# Altium PCB LimeSDR-X3_1v2.PcbDoc (part 4 of 25) (continued)
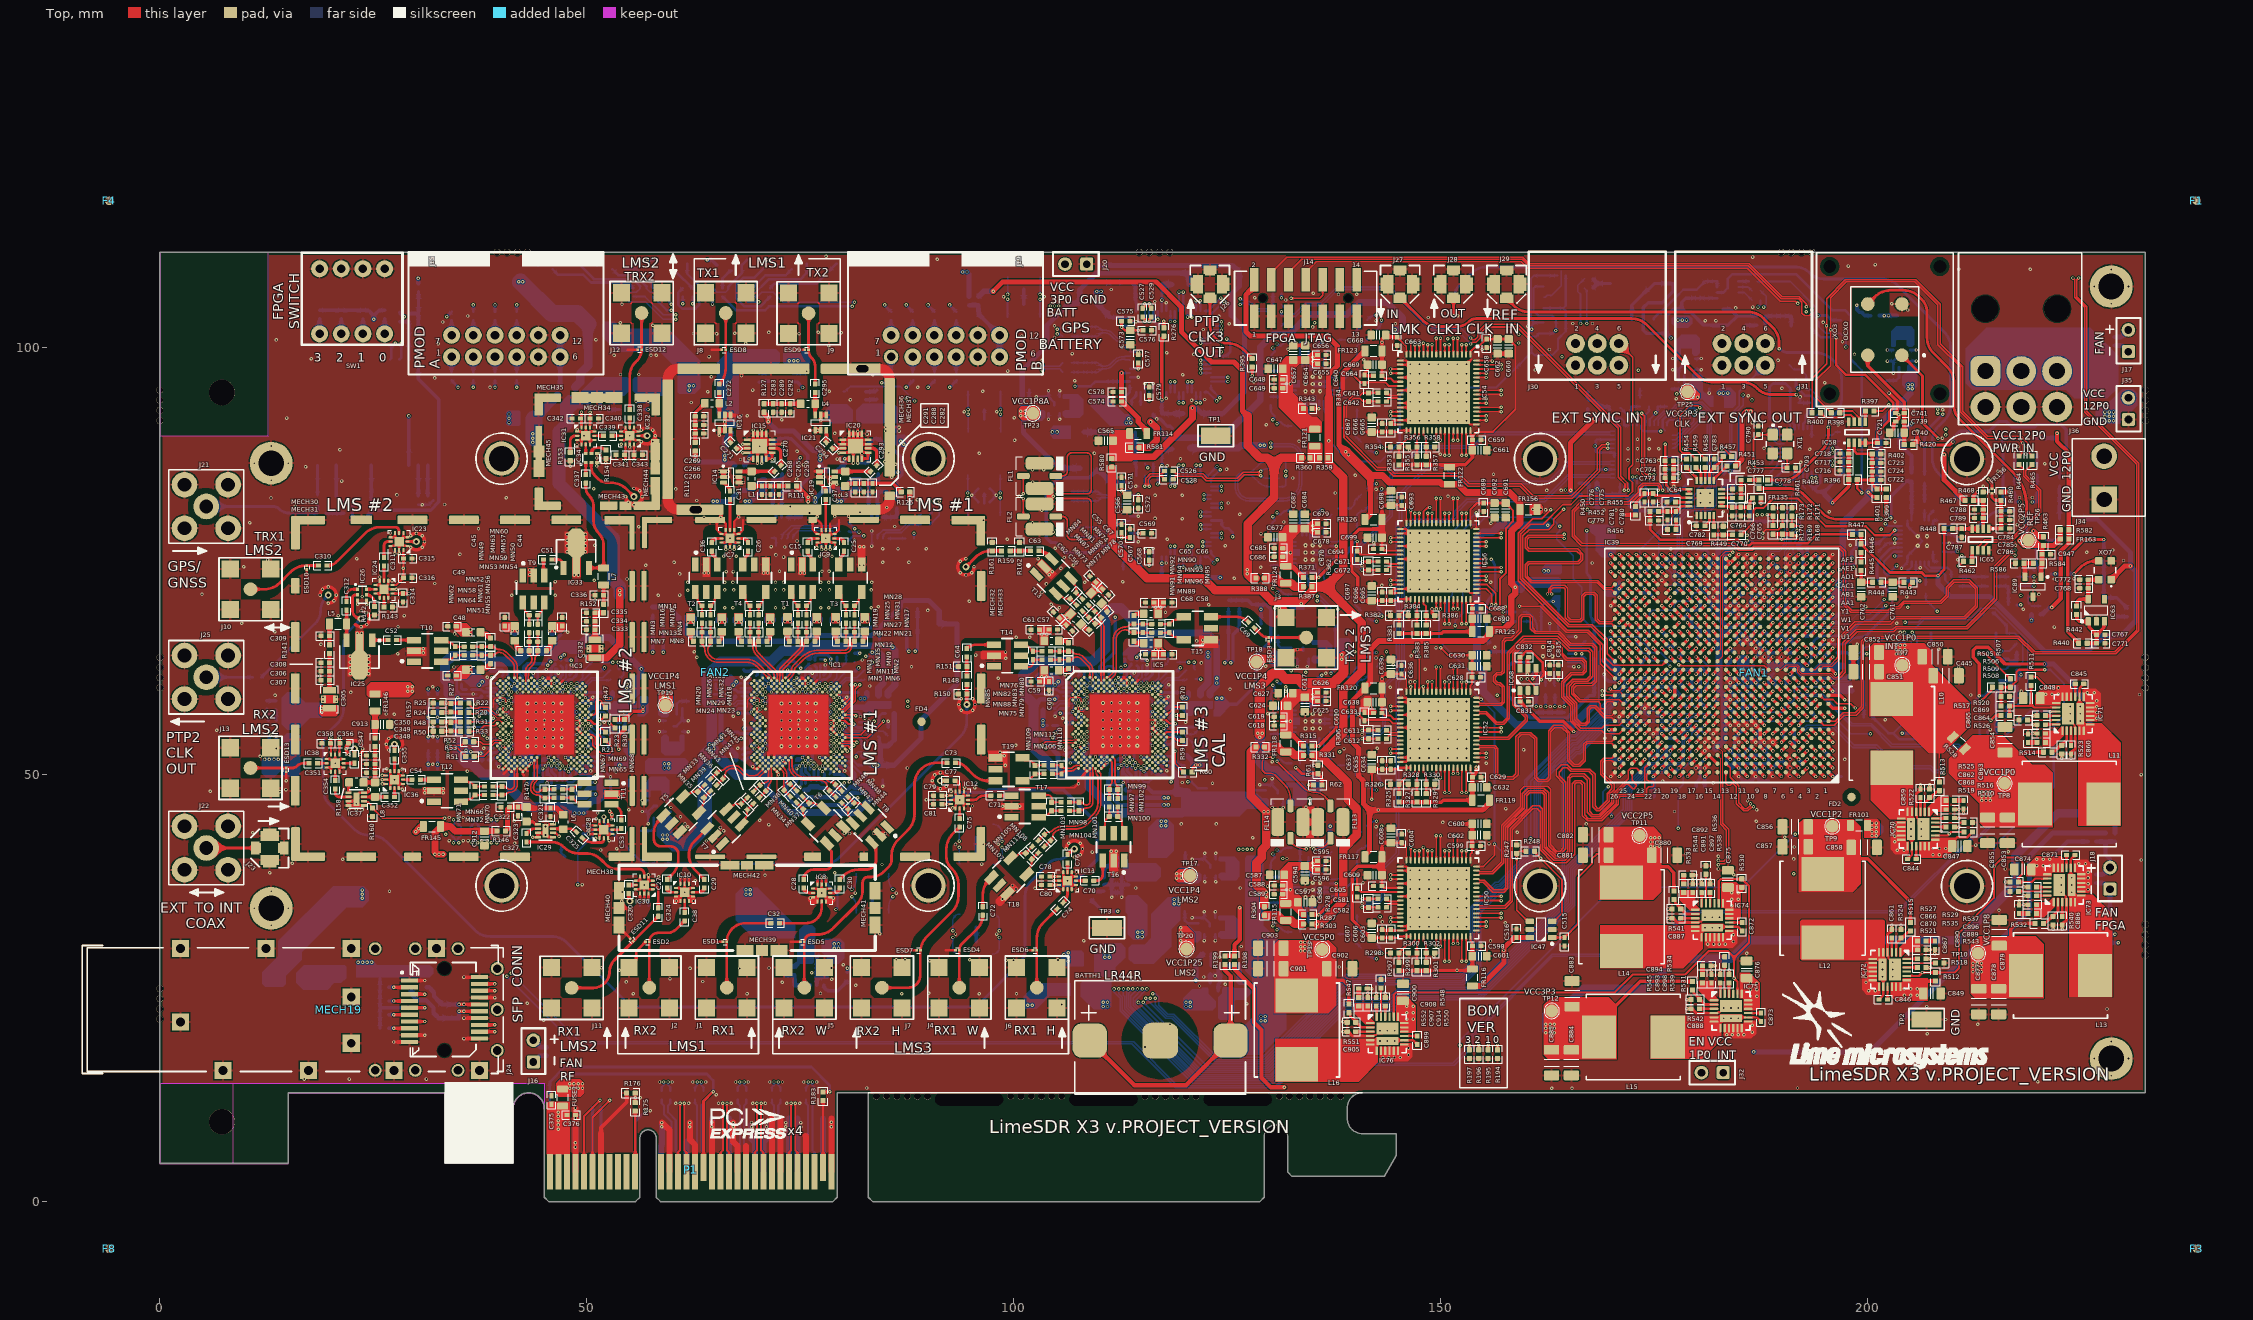
[diagram p0: Top view]
## Footprints (in the part's own frame and the unit in brackets; to place one, negate y for a bottom-side part, rotate by r counter-clockwise, add the part's x,y. Pads: shape width x height; smd on the part's side, far side on the other; paste and mask are expansions set on the pad) (continued)
  Top pour cut-out: -7.5,-6.45 -7.5,-7.55 -7.921,-7.466 -8.278,-7.228 -8.516,-6.871 -8.6,-6.45 -8.6,-6.45
  Top pour cut-out: -7.5,-6.45 -7.5,-5.35 -7.079,-5.434 -6.722,-5.672 -6.484,-6.029 -6.4,-6.45 -6.4,-6.45
  Top pour cut-out: -7.5,6.45 -6.4,6.45 -6.484,6.029 -6.722,5.672 -7.079,5.434 -7.5,5.35 -7.5,5.35
  Top pour cut-out: -7.5,6.45 -8.6,6.45 -8.516,6.871 -8.278,7.228 -7.921,7.466 -7.5,7.55 -7.5,7.55
  Top pour cut-out: -7.5,6.45 -7.5,5.35 -7.921,5.434 -8.278,5.672 -8.516,6.029 -8.6,6.45 -8.6,6.45
  Top pour cut-out: -7.5,6.45 -7.5,7.55 -7.079,7.466 -6.722,7.228 -6.484,6.871 -6.4,6.45 -6.4,6.45
  Top pour cut-out: 7.4,6.45 8.5,6.45 8.416,6.029 8.178,5.672 7.821,5.434 7.4,5.35 7.4,5.35
  Top pour cut-out: 7.4,6.45 6.3,6.45 6.384,6.871 6.622,7.228 6.979,7.466 7.4,7.55 7.4,7.55
  Top pour cut-out: 7.4,6.45 7.4,5.35 6.979,5.434 6.622,5.672 6.384,6.029 6.3,6.45 6.3,6.45
  Top pour cut-out: 7.4,6.45 7.4,7.55 7.821,7.466 8.178,7.228 8.416,6.871 8.5,6.45 8.5,6.45
  Top pour cut-out: 4.9,-0.5 4.9,3.9 -4.9,3.9 -4.9,-3.9 1.525,-3.9 1.525,-0.5
  silkscreen extent -9,-8 9,8, body extent -8.05,-7.01 7.95,6.99, height 10
AP7361 [mm] "Low noise LDO"
  rect 0.7x0.3 smd mask+0.05: 1(-1.375,0.975) 2(-1.375,0.325) 3(-1.375,-0.325) 4(-1.375,-0.975) 5(1.375,-0.975) 6(1.375,-0.325) 7(1.375,0.325) 8(1.375,0.975)
  rect 1.6x2.35 smd mask+0.05: 9(0,0)
  silkscreen extent -2.34,-1.7 2,1.7, body extent -1.52,-1.5 1.5,1.5, height 0.8
ATECC508A_UDFN8 [mm]
  rect 0.8x0.3 smd mask+0.05: 1(-1.5,0.75) 2(-1.5,0.25) 3(-1.5,-0.25) 4(-1.5,-0.75) 5(1.5,-0.75) 6(1.5,-0.25) 7(1.5,0.25) 8(1.5,0.75)
  rect 1.4x1.6 smd mask+0.05: PAD(0,0)
  silkscreen extent -1.64,-1.1 1.2,1.24, body extent -1.5,-1 1.5,1, height 0.53
BHR-06-HUA_2x3_EDGE_HEADER [mm]
  round 2.2 hole 1.1 mask+0.05: 1(-2.54,-2.54) 2(-2.54,0) 3(0,-2.54) 4(0,0) 5(2.54,-2.54) 6(2.54,0)
  silkscreen extent -8,-4.25 8,10.75, body extent -7.64,-2.87 7.64,10.68, height 8.93
BMI-S-101_RF_SHIELD_v2 [mm] "Full footprint"
  rrect20% 1x2.6 smd paste-2 mask+0.05: 0(-6.85,-5.525) 0(-6.85,5.525) 0(6.85,-5.525) 0(6.85,5.525)
  rrect20% 0.8x3.8 smd paste-2 mask+0.05: 0(-6.825,0)
  rrect20% 3.1x1 smd paste-2 mask+0.05: 0(-5.8,-6.325) 0(-5.8,6.325) 0(5.8,-6.325)
  rrect20% 3.8x1 smd paste-2 mask+0.05: 0(0,6.325)
  rrect20% 2.8x1 smd paste-2 mask+0.05: 0(5.8,6.325)
  rrect20% 1x3 smd paste-2 mask+0.05: 0(6.825,0)
  body extent -6.83,-6.35 6.83,6.35, height 2.57
CAP0201 [mm]
  rect 0.3x0.35 smd mask+0.05: 1(-0.28,0) 2(0.28,0)
  silkscreen extent -0.2,-0.33 0.2,0.32, body extent -0.3,-0.15 0.3,0.15, height 0.25
CAP0402#1 [mm] "Chip Capacitor, Body 1.0x0.5mm, 0402, IPC Medium Density"
  round 0.2 on Mech14: 0(0,0)
  rrect20% 0.6x0.5 smd: 1(-0.5,0) 2(0.5,0)
  Top pour cut-out: -0.2,0.35 0.2,0.35 0.2,-0.35 -0.2,-0.35
  silkscreen extent -1.05,-0.5 1.05,0.5, body extent -0.52,-0.27 0.53,0.28, height 0.55
CAP0402#2 [mm] "Chip Capacitor, Body 1.0x0.5mm, 0402, IPC Medium Density"
  round 0.2 on Mech15: 0(0,0)
  rrect20% 0.6x0.5 smd: 1(-0.5,0) 2(0.5,0)
  Top pour cut-out: -0.2,0.35 0.2,0.35 0.2,-0.35 -0.2,-0.35
  silkscreen extent -1.05,-0.5 1.05,0.5, body extent -0.52,-0.27 0.53,0.28, height 0.55
CAP0603#1 [mm] "Chip Capacitor, Body 1.6x0.8mm, 0603, IPC Medium Density"
  round 0.254 on Mech14: 0(0,0)
  rrect25% 0.9x1 smd: 1(-0.85,0) 2(0.85,0)
  Top pour cut-out: -0.4,0.6 0.4,0.6 0.4,-0.6 -0.4,-0.6
  silkscreen extent -0.18,-0.48 0.18,0.48, body extent -0.85,-0.45 0.85,0.45, height 0.89
CAP0603#2 [mm] "Chip Capacitor, Body 1.6x0.8mm, 0603, IPC Medium Density"
  round 0.254 on Mech15: 0(0,0)
  rrect25% 0.9x1 smd: 1(-0.85,0) 2(0.85,0)
  Top pour cut-out: -0.4,0.6 0.4,0.6 0.4,-0.6 -0.4,-0.6
  silkscreen extent -0.18,-0.48 0.18,0.48, body extent -0.85,-0.45 0.85,0.45, height 0.89
CAP0805#1 [mm] "Chip Capacitor, Body 2.0x1.2mm, 0805, IPC Medium Density"
  round 0.254 on Mech15: 0(0,0)
  rrect25% 1x1.4 smd: 1(-0.9,0) 2(0.9,0)
  Top pour cut-out: -0.4,0.8 0.4,0.8 0.4,-0.8 -0.4,-0.8
  silkscreen extent -0.15,-0.65 0.15,0.65, body extent -1.1,-0.72 1.1,0.73, height 1.34
CAP0805#2 [mm] "Chip Capacitor, Body 2.0x1.2mm, 0805, IPC Medium Density"
  round 0.254 on Mech15: 0(0,0)
  rrect25% 1x1.4 smd: 1(-1,0) 2(1,0)
  Top pour cut-out: -0.4,0.8 0.4,0.8 0.4,-0.8 -0.4,-0.8
  silkscreen extent -0.15,-0.65 0.15,0.65, body extent -1.1,-0.72 1.1,0.73, height 1.34
CAP0805_FEEDTHROUGH [mm]
  rect 0.75x1.5 smd mask+0.05: 1(-1.05,0) 3(1.05,0)
  rect 0.9x0.6 smd mask+0.05: 2(0,-0.7) 2(0,0.7)
  Top region: -0.375,-0.4
  Top region: -0.45,-0.675 -0.45,0.675 0.45,0.675 0.45,-0.675
  Top region: 0.375,0.425
  silkscreen extent -1.6,-1 1.6,1, body extent -1,-0.62 1,0.63, height 1.13
CAP1206#1 [mm] "Chip Capacitor, Body 3.2x1.6mm, 1206, IPC Medium Density"
  round 0.508 on Mech14: 0(0,0)
  rrect25% 1.15x1.8 smd: 1(-1.5,0) 2(1.5,0)
  silkscreen extent -0.4,-0.88 0.4,0.88, body extent -1.7,-0.9 1.7,0.9, height 1.74
CAP1206#2 [mm] "Chip Capacitor, Body 3.2x1.6mm, 1206, IPC Medium Density"
  round 0.508 on Mech15: 0(0,0)
  rrect25% 1.15x1.8 smd: 1(-1.5,0) 2(1.5,0)
  silkscreen extent -0.4,-0.88 0.4,0.88, body extent -1.7,-0.9 1.7,0.9, height 1.74
"CDCM6208V2G _VQFN48" [mm] "48-VQFN package 7x7 mm"
  rrect50% 0.75x0.25 smd mask+0.05: 1(-3.4,2.75) 2(-3.4,2.25) 3(-3.4,1.75) 4(-3.4,1.25) 5(-3.4,0.75) 6(-3.4,0.25) 7(-3.4,-0.25) 8(-3.4,-0.75) 9(-3.4,-1.25) 10(-3.4,-1.75) 11(-3.4,-2.25) 12(-3.4,-2.75) 25(3.4,-2.75) 26(3.4,-2.25) 27(3.4,-1.75) 28(3.4,-1.25) 29(3.4,-0.75) 30(3.4,-0.25) 31(3.4,0.25) 32(3.4,0.75) 33(3.4,1.25) 34(3.4,1.75) 35(3.4,2.25) 36(3.4,2.75)
  rrect50% 0.25x0.75 smd mask+0.05: 13(-2.75,-3.4) 14(-2.25,-3.4) 15(-1.75,-3.4) 16(-1.25,-3.4) 17(-0.75,-3.4) 18(-0.25,-3.4) 19(0.25,-3.4) 20(0.75,-3.4) 21(1.25,-3.4) 22(1.75,-3.4) 23(2.25,-3.4) 24(2.75,-3.4) 37(2.75,3.4) 38(2.25,3.4) 39(1.75,3.4) 40(1.25,3.4) 41(0.75,3.4) 42(0.25,3.4) 43(-0.25,3.4) 44(-0.75,3.4) 45(-1.25,3.4) 46(-1.75,3.4) 47(-2.25,3.4) 48(-2.75,3.4)
  rect 4.1x4.1 smd paste-5 mask+0.05: PAD(0,0)
  silkscreen extent -3.7,-3.7 3.7,3.7, body extent -3.51,-3.51 3.51,3.51, height 0.78
CDCM61004RHB_CLK_GEN_VQFN32 [mm]
  oval 0.9x0.3 smd mask+0.05: 1(-2.45,1.75) 2(-2.45,1.25) 3(-2.45,0.75) 4(-2.45,0.25) 5(-2.45,-0.25) 6(-2.45,-0.75) 7(-2.45,-1.25) 8(-2.45,-1.75) 17(2.45,-1.75) 18(2.45,-1.25) 19(2.45,-0.75) 20(2.45,-0.25) 21(2.45,0.25) 22(2.45,0.75) 23(2.45,1.25) 24(2.45,1.75)
  oval 0.3x0.9 smd mask+0.05: 9(-1.75,-2.45) 10(-1.25,-2.45) 11(-0.75,-2.45) 12(-0.25,-2.45) 13(0.25,-2.45) 14(0.75,-2.45) 15(1.25,-2.45) 16(1.75,-2.45) 25(1.75,2.45) 26(1.25,2.45) 27(0.75,2.45) 28(0.25,2.45) 29(-0.25,2.45) 30(-0.75,2.45) 31(-1.25,2.45) 32(-1.75,2.45)
  rect 3.55x3.55 smd paste-0.65 mask+0.05: EP(0,0)
  silkscreen extent -3.34,-2.5 2.5,2.5, body extent -2.5,-2.5 2.5,2.5, height 1
CRYSTAL_4-LCC [mm] "SMD Crystal 4-lead leadless package"
  round 0.508 on Mech15: 0(0,0)
  rrect25% 1.4x1.2 smd: 1(-1.1,-0.85) 2(1.1,-0.85) 3(1.1,0.85) 4(-1.1,0.85)
  silkscreen extent -2.3,-1.6 2,1.6, body extent -1.65,-1.3 1.65,1.3, height 0.8
CRYSTAL_4-LCC_2P5x2P0 [mm] "SMD Crystal 4-lead leadless package 2.5x2.0 mm"
  rrect25% 0.9x0.9 smd: 1(-1.1,-0.725) 2(1.1,-0.725) 3(1.1,0.725) 4(-1.1,0.725)
  silkscreen extent -1.92,-1.28 0.38,1.28, body extent -1.25,-1 1.25,1, height 0.95
CRYSTAL_6-LCC [mm] "SMD Crystal 6-lead leadless package"
  round 0.508 on Mech14: 0(-0.2,0.85)
  rrect25% 1x1.2 smd: 1(-1.29,0) 2(0,0) 3(1.29,0) 4(1.29,1.85) 5(0,1.85) 6(-1.29,1.85)
  silkscreen extent -2.3,-0.8 1.98,2.65, body extent -1.6,-0.3 1.6,2.2, height 1.05
DC2337J5020AHF_ANAREN_COUPLER_0805 [mm]
  rect 0.45x0.35 smd mask+0.05: 1(0.65,0.55) 2(0,0.55) 3(-0.65,0.55) 4(-0.65,-0.5) 5(0,-0.5) 6(0.65,-0.5)
  silkscreen extent -1,-0.5 1.22,0.82, body extent -1,-0.6 1,0.6, height 0.6
DS02C-254-1L-04BE_DIP_SWITCH_4PIN [mm]
  round 2 hole 1 mask+0.05: 1(-3.81,-3.81) 2(-3.81,3.81) 3(-1.27,-3.81) 4(-1.27,3.81) 5(1.27,-3.81) 6(1.27,3.81) 7(3.81,-3.81) 8(3.81,3.81)
  silkscreen extent -5.9,-5.7 5.9,5.1, body extent -5.87,-7.8 5.87,5.08, height 9.46
ESD8472_X3DFN2 [mm]
  rect 0.31x0.3 smd mask+0.05: 1(-0.225,0) 2(0.225,0)
  silkscreen extent -0.2,-0.32 0.2,0.33
"F2258NLGK8 _QFN3x3_16" [mm]
  rect 0.75x0.3 smd mask+0.05: 1(-1.475,0.75) 2(-1.475,0.25) 3(-1.475,-0.25) 4(-1.475,-0.75) 9(1.475,-0.75) 10(1.475,-0.25) 11(1.475,0.25) 12(1.475,0.75)
  rect 0.3x0.75 smd mask+0.05: 5(-0.75,-1.475) 6(-0.25,-1.475) 7(0.25,-1.475) 8(0.75,-1.475) 13(0.75,1.475) 14(0.25,1.475) 15(-0.25,1.475) 16(-0.75,1.475)
  rect 1.75x1.75 smd mask+0.05: EP(0,0)
  silkscreen extent -1.8,-1.8 1.8,1.8, body extent -1.55,-1.55 1.55,1.55, height 0.8
FAN_60mm [mm]
  round 4 hole 3 mask+0.05: 1(-25,-25) 1(-25,25) 1(25,-25) 1(25,25)
  body extent -30,-30 30,30, height 23
FDVE1040_TOKO_INDUCTOR [mm] "Precision Wire Wound Inductor"
  rect 4x5 smd: 1(-4.025,0) 2(4.025,0)
  silkscreen extent -5.5,-5 5.5,5, body extent -5.55,-5.26 5.45,5.26, height 4.72
Fiducial [mm]
  round 1 smd paste-1 mask+1: 1(0,0)
  Top pour cut-out: 0,1.5 -0.574,1.386 -1.061,1.061 -1.386,0.574 -1.5,0 -1.5,0 -1.386,-0.574 -1.061,-1.061 -0.574,-1.386 0,-1.5 0,-1.5 0.574,-1.386 1.061,-1.061 1.386,-0.574 1.5,0 1.5,0 1.386,0.574 1.061,1.061 0.574,1.386 0,1.5
Fiducial_local [mm]
  round 1 smd paste-1 mask+0.5: 1(0,0)
  Top pour cut-out: -1.05,0 -0.97,-0.402 -0.742,-0.742 -0.402,-0.97 0,-1.05 0,-1.05 0.402,-0.97 0.742,-0.742 0.97,-0.402 1.05,0 1.05,0 0.97,0.402 0.742,0.742 0.402,0.97 0,1.05 0,1.05 -0.402,0.97 -0.742,0.742 -0.97,0.402 -1.05,0
HDR_1x2 [mm]
  rrect25% 1.524x1.524 hole 0.9: 1(0,1.27)
  round 1.6 hole 0.9: 2(0,-1.27)
  silkscreen extent -1.4,-2.68 1.4,2.68, body extent -1.27,-2.54 1.27,2.54, height 8.54
HEADER6X_TH_RIGHT_ANGLE_LOCK#1 [mm] "JTAG"
  round 2 hole 1: 1(-6.357,-1.271) 2(-3.814,-1.271) 3(-1.271,-1.271) 4(1.271,-1.271) 5(3.814,-1.271) 6(6.357,-1.271) 7(-6.357,1.271) 8(-3.814,1.271) 9(-1.271,1.271) 10(1.271,1.271) 11(3.814,1.271) 12(6.357,1.271)
  silkscreen extent -11.41,-3.32 11.44,11, body extent -11.43,-1.57 11.43,11.07, height 9.45
HEADER6X_TH_RIGHT_ANGLE_LOCK#2 [mm] "JTAG"
  round 1.7 hole 1: 1(-6.357,-1.271)
  round 2 hole 1: 2(-3.814,-1.271) 3(-1.271,-1.271) 4(1.271,-1.271) 5(3.814,-1.271) 6(6.357,-1.271) 7(-6.357,1.271) 8(-3.814,1.271) 9(-1.271,1.271) 10(1.271,1.271) 11(3.814,1.271) 12(6.357,1.271)
  silkscreen extent -11.41,-3.32 11.44,11, body extent -11.43,-1.57 11.43,11.07, height 9.45
HWSON8_LM75 [mm]
  rect 0.625x0.25 smd mask+0.05: 1(-1.4,0.75) 2(-1.4,0.25) 3(-1.4,-0.25) 4(-1.4,-0.75) 5(1.4,-0.75) 6(1.4,-0.25) 7(1.4,0.25) 8(1.4,0.75)
  rect 1.6x1.6 smd mask+0.05: 9(0,0)
  silkscreen extent -1.9,-1.63 1.9,1.6, body extent -1.51,-1.5 1.51,1.5, height 0.8
LED_RG_RIGHT_ANGLE_V3 [mm] "LTST-S326KGJRKT"
  round 0.254 on Mech14: 0(0,0)
  rrect25% 1.5x1.5 smd: 1(1.75,0) 3(-1.75,0)
  rrect25% 0.9x0.9 smd: 2(0,0.65)
  Top pour cut-out: -1.025,1.15 1.025,1.15 1.025,-1.175 -1.025,-1.175
  silkscreen extent -2.7,-0.93 2.83,0.93, body extent -1.54,-1.47 1.46,0.52, height 1
LFCV-52+_LPF_v2 [mm]
  rrect50% 1.5x0.71 smd mask+0.05: 1(-1.9,0) 3(1.9,0)
  rrect50% 3.25x1.5 smd mask+0.05: 2(0,1.475) 4(0,-1.475)
  silkscreen extent -2.75,-2.25 2.75,2.25, body extent -1.6,-1.25 1.6,1.25, height 1.55
LMK00101_WQFN32 [mm] "QFN, 24-Leads, Body 4,00x4,00mm, Pitch 0,50mm, Thermal Pad 2,55x2,55mm, IPC Medium Density"
  rrect50% 0.8x0.25 smd mask+0.05: 1(-2.4,1.75) 2(-2.4,1.25) 3(-2.4,0.75) 4(-2.4,0.25) 5(-2.4,-0.25) 6(-2.4,-0.75) 7(-2.4,-1.25) 8(-2.4,-1.75) 17(2.4,-1.75) 18(2.4,-1.25) 19(2.4,-0.75) 20(2.4,-0.25) 21(2.4,0.25) 22(2.4,0.75) 23(2.4,1.25) 24(2.4,1.75)
  rect 3.1x3.1 smd mask+0.05: 4(0,0)
  rrect50% 0.25x0.8 smd mask+0.05: 9(-1.75,-2.4) 10(-1.25,-2.4) 11(-0.75,-2.4) 12(-0.25,-2.4) 13(0.25,-2.4) 14(0.75,-2.4) 15(1.25,-2.4) 16(1.75,-2.4) 25(1.75,2.4) 26(1.25,2.4) 27(0.75,2.4) 28(0.25,2.4) 29(-0.25,2.4) 30(-0.75,2.4) 31(-1.25,2.4) 32(-1.75,2.4)
  silkscreen extent -2.8,-2.8 2.8,2.8, body extent -2.52,-2.51 2.5,2.51, height 0.8
LMS7002M_v5 [mm] "LMS7002 without AM2 pad (internally unconnected)"
  round 0.35 smd mask+0: A5(-3.998,5.49) A7(-3.332,5.49) A9(-2.666,5.49) A13(-1.334,5.49) A17(-0.002,5.49) A21(1.33,5.49) AA1(-5.33,-1.17) AA3(-4.664,-1.17) AA5(-3.998,-1.17) AA29(3.994,-1.17) AA31(4.66,-1.17) AA33(5.326,-1.17) AB2(-4.997,-1.503) AB4(-4.331,-1.503) AB6(-3.665,-1.503) AB30(4.327,-1.503) AB32(4.993,-1.503) AB34(5.659,-1.503) AC3(-4.664,-1.836) AC5(-3.998,-1.836) AC29(3.994,-1.836) AC31(4.66,-1.836) AC33(5.326,-1.836) AD2(-4.997,-2.169) AD4(-4.331,-2.169) AD6(-3.665,-2.169) AD30(4.327,-2.169) AD32(4.993,-2.169) AE1(-5.33,-2.502) AE3(-4.664,-2.502) AE5(-3.998,-2.502) AE29(3.994,-2.502) AE31(4.66,-2.502) AE33(5.326,-2.502) AF2(-4.997,-2.835) AF4(-4.331,-2.835) AF6(-3.665,-2.835) AF30(4.327,-2.835) AF32(4.993,-2.835) AF34(5.659,-2.835) AG3(-4.664,-3.168) AG5(-3.998,-3.168) AG29(3.994,-3.168) AG31(4.66,-3.168) AG33(5.326,-3.168) AH2(-4.997,-3.501) AH4(-4.331,-3.501) AH30(4.327,-3.501) AH32(4.993,-3.501) AJ1(-5.33,-3.834) AJ3(-4.664,-3.834) AJ5(-3.998,-3.834) AJ7(-3.332,-3.834) AJ9(-2.666,-3.834) AJ11(-2,-3.834) AJ13(-1.334,-3.834) AJ15(-0.668,-3.834) AJ19(0.664,-3.834) AJ21(1.33,-3.834) AJ25(2.662,-3.834) AJ27(3.328,-3.834) AJ29(3.994,-3.834) AJ31(4.66,-3.834) AJ33(5.326,-3.834) AK2(-4.997,-4.167) AK4(-4.331,-4.167) AK6(-3.665,-4.167) AK8(-2.999,-4.167) AK10(-2.333,-4.167) AK12(-1.667,-4.167) AK14(-1.001,-4.167) AK20(0.997,-4.167) AK22(1.663,-4.167) AK26(2.995,-4.167) AK28(3.661,-4.167) AK30(4.327,-4.167) AK32(4.993,-4.167) AK34(5.659,-4.167) AL3(-4.664,-4.5) AL5(-3.998,-4.5) AL7(-3.332,-4.5) AL9(-2.666,-4.5) AL11(-2,-4.5) AL13(-1.334,-4.5) AL19(0.664,-4.5) AL21(1.33,-4.5) AL23(1.996,-4.5) AL27(3.328,-4.5) AL29(3.994,-4.5) AL31(4.66,-4.5) AL33(5.326,-4.5) AM4(-4.331,-4.833) AM6(-3.665,-4.833) AM8(-2.999,-4.833) AM10(-2.333,-4.833) AM12(-1.667,-4.833) AM18(0.331,-4.833) AM20(0.997,-4.833) AM22(1.663,-4.833) AM24(2.329,-4.833) AM26(2.995,-4.833) AM28(3.661,-4.833) AM30(4.327,-4.833) AM34(5.659,-4.833) AN3(-4.664,-5.166) AN5(-3.998,-5.166) AN7(-3.332,-5.166) AN9(-2.666,-5.166) AN11(-2,-5.166) AN17(-0.002,-5.166) AN23(1.996,-5.166) AN25(2.662,-5.166) AN27(3.328,-5.166) AN29(3.994,-5.166) AN31(4.66,-5.166) AP6(-3.665,-5.499) AP10(-2.333,-5.499) AP26(2.995,-5.499) AP30(4.327,-5.499) AP32(4.993,-5.499) B2(-4.997,5.157) B4(-4.331,5.157) B8(-2.999,5.157) B10(-2.333,5.157) B12(-1.667,5.157) B14(-1.001,5.157) B16(-0.335,5.157) B18(0.331,5.157) B20(0.997,5.157) B22(1.663,5.157) C1(-5.33,4.824) C3(-4.664,4.824) C5(-3.998,4.824) C7(-3.332,4.824) C9(-2.666,4.824) C11(-2,4.824) C13(-1.334,4.824) C15(-0.668,4.824) C17(-0.002,4.824) C19(0.664,4.824) C21(1.33,4.824) C23(1.996,4.824) C25(2.662,4.824) C27(3.328,4.824) C29(3.994,4.824) C31(4.66,4.824) D2(-4.997,4.491) D4(-4.331,4.491) D6(-3.665,4.491) D8(-2.999,4.491) D10(-2.333,4.491) D12(-1.667,4.491) D14(-1.001,4.491) D16(-0.335,4.491) D18(0.331,4.491) D20(0.997,4.491) D22(1.663,4.491) D24(2.329,4.491) D26(2.995,4.491) D28(3.661,4.491) D30(4.327,4.491) D32(4.993,4.491) E3(-4.664,4.158) E5(-3.998,4.158) E9(-2.666,4.158) E11(-2,4.158) E13(-1.334,4.158) E15(-0.668,4.158) E17(-0.002,4.158) E19(0.664,4.158) E21(1.33,4.158) E23(1.996,4.158) E25(2.662,4.158) E27(3.328,4.158) E29(3.994,4.158) E31(4.66,4.158) F2(-4.997,3.825) F4(-4.331,3.825) F6(-3.665,3.825) F8(-2.999,3.825) F10(-2.333,3.825) F12(-1.667,3.825) F14(-1.001,3.825) F16(-0.335,3.825) F18(0.331,3.825) F20(0.997,3.825) F22(1.663,3.825) F24(2.329,3.825) F26(2.995,3.825) F28(3.661,3.825) F30(4.327,3.825) F32(4.993,3.825) G1(-5.33,3.492) G3(-4.664,3.492) G5(-3.998,3.492) G29(3.994,3.492) G31(4.66,3.492) H2(-4.997,3.159) H6(-3.665,3.159) H30(4.327,3.159) H32(4.993,3.159) J1(-5.33,2.826) J3(-4.664,2.826) J5(-3.998,2.826) J31(4.66,2.826) J33(5.326,2.826) K2(-4.997,2.493) K4(-4.331,2.493) K6(-3.665,2.493) K30(4.327,2.493) K32(4.993,2.493) K34(5.659,2.493) L3(-4.664,2.16) L5(-3.998,2.16) L31(4.66,2.16) L33(5.326,2.16) M2(-4.997,1.827) M4(-4.331,1.827) M6(-3.665,1.827) M30(4.327,1.827) M32(4.993,1.827) N1(-5.33,1.494) N3(-4.664,1.494) N31(4.66,1.494) N33(5.326,1.494) P2(-4.997,1.161) P4(-4.331,1.161) P30(4.327,1.161) P32(4.993,1.161) P34(5.659,1.161) R3(-4.664,0.828) R5(-3.998,0.828) R29(3.994,0.828) R31(4.66,0.828) R33(5.326,0.828) T4(-4.331,0.495) T6(-3.665,0.495) T30(4.327,0.495) T32(4.993,0.495) U1(-5.33,0.162) U3(-4.664,0.162) U5(-3.998,0.162) U29(3.994,0.162) U31(4.66,0.162) U33(5.326,0.162) V2(-4.997,-0.171) V4(-4.331,-0.171) V6(-3.665,-0.171) V30(4.327,-0.171) V32(4.993,-0.171) V34(5.659,-0.171) W3(-4.664,-0.504) W29(3.994,-0.504) W31(4.66,-0.504) W33(5.326,-0.504) Y2(-4.997,-0.837) Y4(-4.331,-0.837) Y6(-3.665,-0.837) Y30(4.327,-0.837) Y32(4.993,-0.837)
  rect 0.2x0.2 smd: GND(0.175,0.025)
  Top region: -3.325,-3.5 3.675,-3.5 3.675,3.5 -3.325,3.5
  silkscreen extent -6.1,-6.3 6.4,6.2, body extent -5.6,-5.75 5.9,5.75, height 0.97
LMZ20501SILR_DC-DC_8-SMD [mm]
  rect 0.5x0.45 smd mask+0.05: 1(-1.475,1.2) 2(-1.475,0.4) 3(-1.475,-0.4) 4(-1.475,-1.2) 5(1.475,-1.2) 6(1.475,-0.4) 7(1.475,0.4) 8(1.475,1.2)
  rect 0.8x0.8 smd mask+0.05: PAD(-0.55,-0.55) PAD(-0.55,0.55) PAD(0.55,-0.55) PAD(0.55,0.55)
  silkscreen extent -2.17,-1.85 1.88,1.85, body extent -1.75,-1.75 1.75,1.75, height 1.75
LP5951MF_SOT23-5 [mm]
  round 0.5 on Mech14: 0(0,0)
  rrect25% 1x0.6 smd: 1(-1.3,0.95) 2(-1.3,0) 3(-1.3,-0.95) 4(1.3,-0.95) 5(1.3,0.95)
  silkscreen extent -1.27,-1.35 0.51,1.7, body extent -1.4,-1.45 1.4,1.45, height 1.44
LR44R_BATTERY_HOLDER [mm] "BATT RETAIN COIN 11.6MM 1CEL SMD"
  rrect50% 4x4 smd mask+0.05: 1(-8.25,0) 1(8.25,0)
  rrect50% 4.2x4.2 smd mask+0.05: 2(0,0)
  Top pour cut-out: 0,-4.5 2.25,-3.897 3.897,-2.25 4.5,0 4.5,0 4.157,1.722 3.182,3.182 1.722,4.157 0,4.5 0,4.5 -1.722,4.157 -3.182,3.182 -4.157,1.722 -4.5,0 -4.5,0 -4.157,-1.722 -3.182,-3.182 -1.722,-4.157 0,-4.5
  silkscreen extent -10,-7 10,6.25, body extent -8.89,-6.78 8.89,5.75, height 5.97
MAX5878_QFN68 [mm]
  rrect50% 0.95x0.3 smd mask+0.05: 1(-4.75,4) 2(-4.75,3.5) 3(-4.75,3) 4(-4.75,2.5) 5(-4.75,2) 6(-4.75,1.5) 7(-4.75,1) 8(-4.75,0.5) 9(-4.75,0) 10(-4.75,-0.5) 11(-4.75,-1) 12(-4.75,-1.5) 13(-4.75,-2) 14(-4.75,-2.5) 15(-4.75,-3) 16(-4.75,-3.5) 17(-4.75,-4) 35(4.75,-4) 36(4.75,-3.5) 37(4.75,-3) 38(4.75,-2.5) 39(4.75,-2) 40(4.75,-1.5) 41(4.75,-1) 42(4.75,-0.5) 43(4.75,0) 44(4.75,0.5) 45(4.75,1) 46(4.75,1.5) 47(4.75,2) 48(4.75,2.5) 49(4.75,3) 50(4.75,3.5) 51(4.75,4)
  rrect50% 0.3x0.95 smd mask+0.05: 18(-4,-4.75) 19(-3.5,-4.75) 20(-3,-4.75) 21(-2.5,-4.75) 22(-2,-4.75) 23(-1.5,-4.75) 24(-1,-4.75) 25(-0.5,-4.75) 26(0,-4.75) 27(0.5,-4.75) 28(1,-4.75) 29(1.5,-4.75) 30(2,-4.75) 31(2.5,-4.75) 32(3,-4.75) 33(3.5,-4.75) 34(4,-4.75) 52(4,4.75) 53(3.5,4.75) 54(3,4.75) 55(2.5,4.75) 56(2,4.75) 57(1.5,4.75) 58(1,4.75) 59(0.5,4.75) 60(0,4.75) 61(-0.5,4.75) 62(-1,4.75) 63(-1.5,4.75) 64(-2,4.75) 65(-2.5,4.75) 66(-3,4.75) 67(-3.5,4.75) 68(-4,4.75)
  rect 5.85x5.85 smd paste-5 mask+0.05: EP(-0.001,-0.001)
  silkscreen extent -5.15,-5.15 5.15,5.15, body extent -5,-5 5,5, height 0.95
MCX_connector_vertical_SM [mm]
  round 1.6 smd: 1(0,0)
  rect 2x2 smd: 2(-2.37,-2.37) 2(-2.37,2.37) 2(2.37,-2.37) 2(2.37,2.37)
  silkscreen extent -3.7,-3.7 3.7,3.7, body extent -2.95,-2.95 2.95,2.95, height 5.9
MMCX_UFL_conn_u [mm]
  rect 1.55x1 smd mask+0.05: 1(0,1.7) 2(0,-1.7)
  rect 1.2x1.2 smd mask+0.05: 1(0,1.6) 2(0,-1.6)
  rect 1.2x1.6 smd mask+0.05: 2(-1.7,0) 2(1.7,0)
  rect 1.2x2.15 smd mask+0.05: 2(-1.4,0) 2(1.4,0)
  silkscreen extent -2.3,-2.2 2.3,2.2, body extent -1.5,-1.55 1.5,1.55, height 1.25
MOLEX-878321420_V [mm] "SMD, 14-Leads, Body 16.65x6.3mm, Pitch 2mm"
  rect 1x2.75 smd: 1(-6,-2.125) 2(-6,2.125) 3(-4,-2.125) 4(-4,2.125) 5(-2,-2.125) 6(-2,2.125) 7(0,-2.125) 8(0,2.125) 9(2,-2.125) 10(2,2.125) 11(4,-2.125) 12(4,2.125) 13(6,-2.125) 14(6,2.125)
  round 0.5 hole 1 unplated: MH1(-5,0) MH2(5,0)
  silkscreen extent -8.33,-3.15 8.32,3.15, body extent -8.32,-3.15 8.33,3.15, height 7.6
MS263-10CP_RF_SHIELD_COVER [mm] "Full footprint"
  body extent -13.45,-8.7 13.45,8.7, height 4.8
MS263-10F_RF_SHIELD_FRAME_V2 [mm] "Full footprint"
  rrect20% 1.2x14 smd paste-5 mask+0.05: 0(-13,0)
  oval 2x1 hole 0.8 slot 1.4 at 0 deg mask+0.05: 0(-9.7,-8.25) 0(9.8,8.25)
  rrect20% 5x1.2 smd paste-5 mask+0.05: 0(-9.375,8.25)
  rrect20% 5.5x1.2 smd paste-5 mask+0.05: 0(-9.225,-8.25)
  rrect20% 9x1.2 smd paste-5 mask+0.05: 0(-0.9,8.25)
  rrect20% 10x1.2 smd paste-5 mask+0.05: 0(0,-8.25)
  rrect20% 7x1.2 smd paste-5 mask+0.05: 0(8.425,8.25)
  rrect20% 5.8x1.2 smd paste-5 mask+0.05: 0(9.025,-8.25)
  rrect20% 1.2x1 smd paste-5 mask+0.05: 0(13,-6.625)
  rrect20% 1.2x11.5 smd paste-5 mask+0.05: 0(13,1.4)
  Top region: -12.4,6.75 -12.4,7 -12.313,7.325 -12.075,7.563 -11.75,7.65 -11.75,7.65 -11.75,8.85 -12.458,8.709 -13.058,8.308 -13.459,7.708 -13.6,7 -13.6,7 -13.6,6.75
  Top region: 12.4,6.75 12.4,7 12.313,7.325 12.075,7.563 11.75,7.65 11.75,7.65 11.75,8.85 12.458,8.709 13.058,8.308 13.459,7.708 13.6,7 13.6,7 13.6,6.75
  Top region: 12.4,-6.75 12.4,-7 12.313,-7.325 12.075,-7.563 11.75,-7.65 11.75,-7.65 11.75,-8.85 12.458,-8.709 13.058,-8.308 13.459,-7.708 13.6,-7 13.6,-7 13.6,-6.75
  Top region: -12.4,-6.75 -12.4,-7 -12.313,-7.325 -12.075,-7.563 -11.75,-7.65 -11.75,-7.65 -11.75,-8.85 -12.458,-8.709 -13.058,-8.308 -13.459,-7.708 -13.6,-7 -13.6,-7 -13.6,-6.75
  body extent -13.15,-8.4 13.15,8.4, height 4.5
NEO-7M/8M [mm]
  rect 3x0.8 smd: 1(6.2,-7) 2(6.2,-5.9) 3(6.2,-4.8) 4(6.2,-3.7) 5(6.2,-2.6) 6(6.2,-1.5) 7(6.2,-0.4) 8(6.2,2.6) 9(6.2,3.7) 10(6.2,4.8) 11(6.2,5.9) 12(6.2,7) 13(-6.2,7) 14(-6.2,5.9) 15(-6.2,4.8) 16(-6.2,3.7) 17(-6.2,2.6) 18(-6.2,-0.4) 19(-6.2,-1.5) 20(-6.2,-2.6) 21(-6.2,-3.7) 22(-6.2,-4.8) 23(-6.2,-5.9) 24(-6.2,-7)
  silkscreen extent -8.2,-8.1 8.3,7.9, body extent -6.1,-8 6.1,8, height 2.33
PCB_standoff [mm]
  round 5 hole 3: MH1(0,0)
  body extent -2.86,-2.5 2.91,2.5, height 5.2
PCIe_POWER_HEADER_6PIN [mm]
  round 3 hole 3.1 unplated: 0(0,7.3) 0(8.4,7.3)
  rrect50% 3.5x3.5 hole 1.9: 1(0,0)
  round 3.5 hole 1.9: 2(4.2,0) 3(8.4,0) 4(0,-4.2) 5(4.2,-4.2) 6(8.4,-4.2)
  silkscreen extent -3.15,-6.28 11.27,13.85, body extent -3.05,-4.73 11.15,13.91, height 11.2
PCIeX4-GF-2D-1000-1K-O64 [mm]
  rect 0.7x3.2 smd far side paste-2: A1(-14.1,0.75)
  rect 0.7x4.2 smd far side paste-2: A2(-13.1,0.25) A3(-12.1,0.25) A4(-11.1,0.25) A5(-10.1,0.25) A6(-9.1,0.25) A7(-8.1,0.25) A8(-7.1,0.25) A9(-6.1,0.25) A10(-5.1,0.25) A11(-4.1,0.25) A12(-1.1,0.25) A13(-0.1,0.25) A14(0.9,0.25) A15(1.9,0.25) A16(2.9,0.25) A17(3.9,0.25) A18(4.9,0.25) A19(5.9,0.25) A20(6.9,0.25) A21(7.9,0.25) A22(8.9,0.25) A23(9.9,0.25) A24(10.9,0.25) A25(11.9,0.25) A26(12.9,0.25) A27(13.9,0.25) A28(14.9,0.25) A29(15.9,0.25) A30(16.9,0.25) A31(17.9,0.25) A32(18.9,0.25)
  rect 0.7x4.2 smd paste-2: B1(-14.1,0.25) B2(-13.1,0.25) B3(-12.1,0.25) B4(-11.1,0.25) B5(-10.1,0.25) B6(-9.1,0.25) B7(-8.1,0.25) B8(-7.1,0.25) B9(-6.1,0.25) B10(-5.1,0.25) B11(-4.1,0.25) B12(-1.1,0.25) B13(-0.1,0.25) B14(0.9,0.25) B15(1.9,0.25) B16(2.9,0.25) B18(4.9,0.25) B19(5.9,0.25) B20(6.9,0.25) B21(7.9,0.25) B22(8.9,0.25) B23(9.9,0.25) B24(10.9,0.25) B25(11.9,0.25) B26(12.9,0.25) B27(13.9,0.25) B28(14.9,0.25) B29(15.9,0.25) B30(16.9,0.25) B32(18.9,0.25)
  rect 0.7x3.2 smd paste-2: B17(3.9,0.75) B31(17.9,0.75)
PE42422_QFN12#1 [mm]
  rrect50% 0.475x0.25 smd mask+0.05: 1(-1,0.5) 2(-1,0) 3(-1,-0.5) 7(1,-0.5) 8(1,0) 9(1,0.5)
  rrect50% 0.25x0.475 smd mask+0.05: 4(-0.5,-1) 5(0,-1) 6(0.5,-1) 10(0.5,1) 11(0,1) 12(-0.5,1)
  rect 1.1x1.1 smd mask+0.05: PAD(0,0)
  silkscreen extent -1.3,-1.3 1.3,1.3, body extent -1,-1 1,1, height 0.58
PE42422_QFN12#2 [mm]
  rect 0.475x0.25 smd mask+0.05: 1(-1,0.5) 2(-1,0) 3(-1,-0.5) 7(1,-0.5) 8(1,0) 9(1,0.5)
  rect 0.25x0.475 smd mask+0.05: 4(-0.5,-1) 5(0,-1) 6(0.5,-1) 10(0.5,1) 11(0,1) 12(-0.5,1)
  rect 1.1x1.1 smd mask+0.05: PAD(0,0)
  silkscreen extent -1.3,-1.3 1.3,1.3, body extent -1,-1 1,1, height 0.58
PGA-102+_SOT89 [mm]
  rect 1.6x0.711 smd: 1(-2,1.5) 3(-2,-1.5)
  rect 2x0.914 smd: 2(-1.8,0)
  oct 3.4x2 smd: 2(0.9,0)
  silkscreen extent -2.07,-2.3 1.3,2.48, body extent -2.41,-2.29 1.84,2.31, height 1.59
PIC-S-208C_RF_SHIELD_COVER [mm] "Full footprint"
  body extent -20,-20 20,20, height 7.35
PIC-S-208F_RF_SHIELD_FRAME_R0#1 [mm] "Full footprint"
  rrect20% 1x3.5 smd mask+0.05: 0(-19.725,-11.995) 0(-19.725,-5.995) 0(-19.725,0.005) 0(-19.725,6.005)
  rrect20% 1x1.8 smd mask+0.05: 0(-19.725,12.005)
  rrect20% 1x3.95 smd mask+0.05: 0(-19.705,-18.225) 0(-19.705,18.234)
  rrect20% 3.95x1 smd mask+0.05: 0(-18.225,-19.695) 0(-18.225,19.705)
  rrect20% 3.5x1 smd mask+0.05: 0(-12.005,-19.725) 0(-5.995,19.725) 0(-0.005,-19.725) 0(0.005,19.725) 0(5.995,-19.725) 0(6.005,19.725) 0(12.005,19.725) 0(18.234,19.705)
  rrect20% 2.5x1 smd mask+0.05: 0(-11.995,19.725) 0(18.225,-19.705)
  rrect20% 2x1 smd mask+0.05: 0(-6.005,-19.725)
  rrect20% 0.6x3.95 smd mask+0.03: 0(19.705,-18.234) 0(19.705,18.225)
  rrect20% 0.6x3.5 smd mask+0.03: 0(19.725,-12.005) 0(19.725,-6.005) 0(19.725,-0.005) 0(19.725,5.995) 0(19.725,11.995)
  body extent -20.1,-20.1 20.1,20.1, height 7
PIC-S-208F_RF_SHIELD_FRAME_R0#2 [mm] "Full footprint"
  rrect20% 1x3.5 smd mask+0.05: 0(-19.725,-11.995) 0(-19.705,-18.225) 0(-19.705,18.234) 0(19.725,-12.005)
  rrect20% 1x1 smd mask+0.05: 0(-19.725,-5.995)
  rrect20% 1x2 smd mask+0.05: 0(-19.725,0.005)
  rrect20% 0.5x3.5 smd mask+0.03: 0(-19.725,6.005) 0(-19.725,12.005)
  rrect20% 3.95x1 smd mask+0.05: 0(-18.225,-19.695)
  rrect20% 3.95x0.6 smd mask+0.03: 0(-18.225,19.705)
  rrect20% 3.5x0.6 smd mask+0.03: 0(-11.995,19.725) 0(-5.995,19.725) 0(0.005,19.725) 0(6.005,19.725) 0(12.005,19.725)
  rrect20% 3.5x1 smd mask+0.05: 0(-6.005,-19.725) 0(-0.005,-19.725) 0(11.995,-19.725)
  rrect20% 3x1 smd mask+0.05: 0(18.225,-19.705)
  rrect20% 3.6x0.6 smd mask+0.03: 0(18.234,19.705)
  rrect20% 1x3.95 smd mask+0.05: 0(19.705,-18.234)
  rrect20% 0.7x3.5 smd mask+0.05: 0(19.705,18.225) 0(19.725,-6.005) 0(19.725,5.995) 0(19.725,11.995)
  rrect20% 0.7x1 smd mask+0.05: 0(19.725,-0.005)
  body extent -20.1,-20.1 20.1,20.1, height 7
QPA4563ATR7_SOT363-6 [mm]
  round 0.5 on Mech15: 0(0,0)
  rrect25% 0.8x0.45 smd: 1(-0.9,0.65) 2(-0.9,0) 3(-0.9,-0.65) 4(0.9,-0.65) 5(0.9,0) 6(0.9,0.65)
  silkscreen extent -1.03,-1.1 0.3,1.38, body extent -1.05,-1 1.05,1, height 0.92
RAKON_RPT7050A [mm] "Rakon's Pluto+ ASIC"
  rect 1.5x1.2 smd: 1(2.45,2.2) 2(-2.75,2.2) 4(-2.75,-2.2) 5(2.45,-2.2)
  rect 1.4x0.9 smd: 3(-3.2,0) 6(3.2,0)
  body extent 4.15,1.8 4.25,1.9, height 0.1
RAKON_RTX5032A [mm] "RAKON RTX5032A 40MHz Filter enabled, with VC, 10pin 5mm x 3.2mm"
  rect 1.35x1 smd mask+0.05: 1(-1.925,-1.15) 4(1.925,-1.15) 6(1.925,1.15) 9(-1.925,1.15)
  rect 0.7x1.35 smd paste-2 mask+0.05: 2(-0.6,-0.975) 3(0.6,-0.975) 7(0.6,0.975) 8(-0.6,0.975)
  rect 1.35x0.7 smd paste-2 mask+0.05: 5(1.925,0) 10(-1.925,0)
  silkscreen extent -3.2,-2.25 2.8,1.85, body extent -2.5,-1.6 2.5,1.6, height 0.9
RAKON_TXCO [mm] "30.72 MHz or 61.44 MHz"
  rect 1.5x1.2 smd: 1(2.45,2.2) 2(-2.75,2.2) 3(-2.75,-2.2) 4(2.45,-2.2)
  body extent -3.5,-2.3 3.2,2.3, height 2.4
RES0201 [mm]
  rect 0.3x0.35 smd mask+0.05: 1(-0.28,0) 2(0.28,0)
  silkscreen extent -0.2,-0.33 0.2,0.33, body extent -0.3,-0.15 0.3,0.15, height 0.25
RES0402#1 [mm] "Chip Resistor, Body 1.0x0.5mm, EIA 0402, IPC Medium Density"
  round 0.2 on Mech14: 0(0,0)
  rrect20% 0.6x0.6 smd: 1(-0.5,0) 2(0.5,0)
  Top pour cut-out: -0.2,0.35 0.2,0.35 0.2,-0.35 -0.2,-0.35
  silkscreen extent -1.05,-0.55 1.05,0.55, body extent -0.52,-0.27 0.53,0.28, height 0.4